# Altium PCB Mosaic-Alto.PcbDoc (part 1 of 2) (continued)
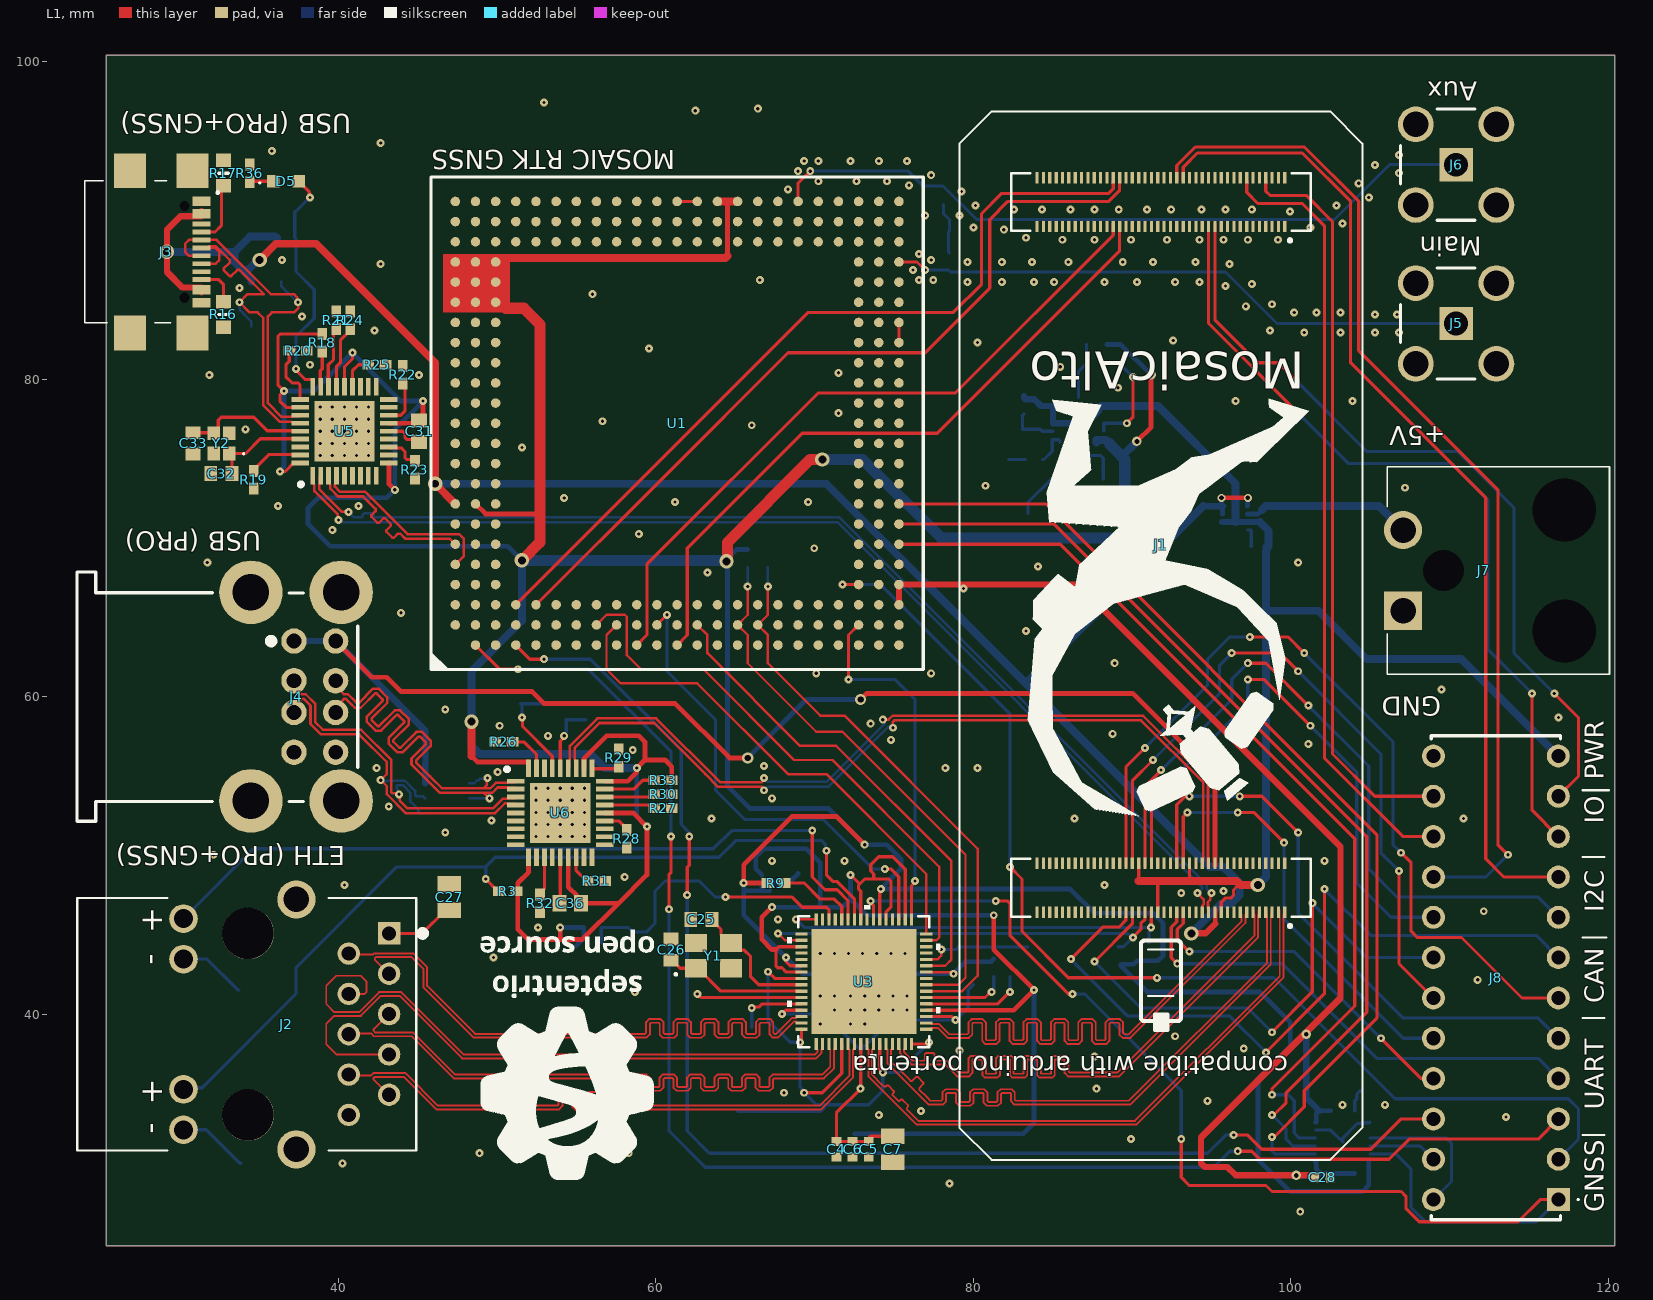
[diagram p0: L1 view]
## Footprints (in the part's own frame and the unit in brackets; to place one, negate y for a bottom-side part, rotate by r counter-clockwise, add the part's x,y. Pads: shape width x height; smd on the part's side, far side on the other; paste and mask are expansions set on the pad) (continued)
  silkscreen extent -17.14,-12.69 48.89,12.69, body extent -1.69,-9.27 44.87,9.33, height 3.4
IND_1005_TDK [mm]
  rect 0.57x0.6 smd paste+0 mask+0: 1(-0.565,0) 2(0.565,0)
  silkscreen extent -1.76,-0.08 -1.61,0.08, body extent -0.5,-0.25 0.5,0.25, height 0.5
INDC1005X55N [mm]
  rect 0.55x0.6 smd: 1(-0.65,0) 2(0.65,0)
  silkscreen extent 0,-0.15 0,0.15, body extent -0.5,-0.25 0.5,0.25, height 0.55
INDC2016X100N [mm]
  rect 1.2x1.8 smd: 1(-0.85,0) 2(0.85,0)
  silkscreen extent 0,-0.7 0,0.7, body extent -1,-0.8 1,0.8, height 1
LFXTAL055474REEL [mm]
  rect 1.4x1.15 smd: 1(-1.1,-0.8) 2(1.1,-0.8) 3(1.1,0.8) 4(-1.1,0.8)
  silkscreen extent -2.42,-1.23 -2.32,-1.13, body extent -1.7,-1.35 1.7,1.35, height 0.9
LFXTAL071257Reel [mm]
  rect 0.88x0.78 smd: 1(-0.64,-0.49) 2(0.64,-0.49) 3(0.64,0.49) 4(-0.64,0.49)
  silkscreen extent -0.7,-1.45 -0.6,-1.35, body extent -1,-0.8 1,0.8, height 0.6
LMQ62440BPPQRJRRQ1 [mm]
  rect 0.7x0.4 smd: 1(-1.85,1.15) 5(-1.85,-1.15)
  rect 0.7x0.25 smd: 2(-1.85,0.525) 4(-1.85,-0.525)
  rect 0.7x0.3 smd: 3(-1.85,0)
  rect 0.25x0.7 smd: 6(-1.125,-1.6) 7(-0.625,-1.6) 13(-0.625,1.6) 14(-1.125,1.6)
  rect 0.4x1 smd: 8(0.45,-1.45) 12(0.45,1.45)
  rect 0.8x0.4 smd: 9(1.8,-1.15) 11(1.8,1.15)
  rect 2.4x0.4 smd: 10(1,0)
  rect 0.35x0.6 smd: 15(-1.675,1.65) 16(-1.675,-1.65)
  rect 0.4x0.6 smd: 17(1.6,-1.65) 18(1.6,1.65)
  silkscreen extent -2.9,1.1 -2.8,1.2, body extent -2,-1.75 2,1.75, height 1
Mosaic [mm]
  round 0.6 smd: A2(-12.7,13.97) A3(-11.43,13.97) A4(-10.16,13.97) A5(-8.89,13.97) A6(-7.62,13.97) A7(-6.35,13.97) A8(-5.08,13.97) A9(-3.81,13.97) A10(-2.54,13.97) A11(-1.27,13.97) A12(0,13.97) A13(1.27,13.97) A14(2.54,13.97) A15(3.81,13.97) A16(5.08,13.97) A17(6.35,13.97) A18(7.62,13.97) A19(8.89,13.97) A20(10.16,13.97) A21(11.43,13.97) A22(12.7,13.97) A23(13.97,13.97) AA1(-13.97,-11.43) AA2(-12.7,-11.43) AA3(-11.43,-11.43) AA4(-10.16,-11.43) AA5(-8.89,-11.43) AA6(-7.62,-11.43) AA7(-6.35,-11.43) AA8(-5.08,-11.43) AA9(-3.81,-11.43) AA10(-2.54,-11.43) AA11(-1.27,-11.43) AA12(0,-11.43) AA13(1.27,-11.43) AA14(2.54,-11.43) AA15(3.81,-11.43) AA16(5.08,-11.43) AA17(6.35,-11.43) AA18(7.62,-11.43) AA19(8.89,-11.43) AA20(10.16,-11.43) AA21(11.43,-11.43) AA22(12.7,-11.43) AA23(13.97,-11.43) AB1(-13.97,-12.7) AB2(-12.7,-12.7) AB3(-11.43,-12.7) AB4(-10.16,-12.7) AB5(-8.89,-12.7) AB6(-7.62,-12.7) AB7(-6.35,-12.7) AB8(-5.08,-12.7) AB9(-3.81,-12.7) AB10(-2.54,-12.7) AB11(-1.27,-12.7) AB12(0,-12.7) AB13(1.27,-12.7) AB14(2.54,-12.7) AB15(3.81,-12.7) AB16(5.08,-12.7) AB17(6.35,-12.7) AB18(7.62,-12.7) AB19(8.89,-12.7) AB20(10.16,-12.7) AB21(11.43,-12.7) AB22(12.7,-12.7) AB23(13.97,-12.7) AC1(-13.97,-13.97) AC2(-12.7,-13.97) AC3(-11.43,-13.97) AC4(-10.16,-13.97) AC5(-8.89,-13.97) AC6(-7.62,-13.97) AC7(-6.35,-13.97) AC8(-5.08,-13.97) AC9(-3.81,-13.97) AC10(-2.54,-13.97) AC11(-1.27,-13.97) AC12(0,-13.97) AC13(1.27,-13.97) AC14(2.54,-13.97) AC15(3.81,-13.97) AC16(5.08,-13.97) AC17(6.35,-13.97) AC18(7.62,-13.97) AC19(8.89,-13.97) AC20(10.16,-13.97) AC21(11.43,-13.97) AC22(12.7,-13.97) AC23(13.97,-13.97) B1(-13.97,12.7) B2(-12.7,12.7) B3(-11.43,12.7) B4(-10.16,12.7) B5(-8.89,12.7) B6(-7.62,12.7) B7(-6.35,12.7) B8(-5.08,12.7) B9(-3.81,12.7) B10(-2.54,12.7) B11(-1.27,12.7) B12(0,12.7) B13(1.27,12.7) B14(2.54,12.7) B15(3.81,12.7) B16(5.08,12.7) B17(6.35,12.7) B18(7.62,12.7) B19(8.89,12.7) B20(10.16,12.7) B21(11.43,12.7) B22(12.7,12.7) B23(13.97,12.7) C1(-13.97,11.43) C2(-12.7,11.43) C3(-11.43,11.43) C4(-10.16,11.43) C5(-8.89,11.43) C6(-7.62,11.43) C7(-6.35,11.43) C8(-5.08,11.43) C9(-3.81,11.43) C10(-2.54,11.43) C11(-1.27,11.43) C12(0,11.43) C13(1.27,11.43) C14(2.54,11.43) C15(3.81,11.43) C16(5.08,11.43) C17(6.35,11.43) C18(7.62,11.43) C19(8.89,11.43) C20(10.16,11.43) C21(11.43,11.43) C22(12.7,11.43) C23(13.97,11.43) D1(-13.97,10.16) D2(-12.7,10.16) D3(-11.43,10.16) D21(11.43,10.16) D22(12.7,10.16) D23(13.97,10.16) E1(-13.97,8.89) E2(-12.7,8.89) E3(-11.43,8.89) E21(11.43,8.89) E22(12.7,8.89) E23(13.97,8.89) F1(-13.97,7.62) F2(-12.7,7.62) F3(-11.43,7.62) F21(11.43,7.62) F22(12.7,7.62) F23(13.97,7.62) G1(-13.97,6.35) G2(-12.7,6.35) G3(-11.43,6.35) G21(11.43,6.35) G22(12.7,6.35) G23(13.97,6.35) H1(-13.97,5.08) H2(-12.7,5.08) H3(-11.43,5.08) H21(11.43,5.08) H22(12.7,5.08) H23(13.97,5.08) J1(-13.97,3.81) J2(-12.7,3.81) J3(-11.43,3.81) J21(11.43,3.81) J22(12.7,3.81) J23(13.97,3.81) K1(-13.97,2.54) K2(-12.7,2.54) K3(-11.43,2.54) K21(11.43,2.54) K22(12.7,2.54) K23(13.97,2.54) L1(-13.97,1.27) L2(-12.7,1.27) L3(-11.43,1.27) L21(11.43,1.27) L22(12.7,1.27) L23(13.97,1.27) M1(-13.97,0) M2(-12.7,0) M3(-11.43,0) M21(11.43,0) M22(12.7,0) M23(13.97,0) N1(-13.97,-1.27) N2(-12.7,-1.27) N3(-11.43,-1.27) N21(11.43,-1.27) N22(12.7,-1.27) N23(13.97,-1.27) P1(-13.97,-2.54) P2(-12.7,-2.54) P3(-11.43,-2.54) P21(11.43,-2.54) P22(12.7,-2.54) P23(13.97,-2.54) R1(-13.97,-3.81) R2(-12.7,-3.81) R3(-11.43,-3.81) R21(11.43,-3.81) R22(12.7,-3.81) R23(13.97,-3.81) T1(-13.97,-5.08) T2(-12.7,-5.08) T3(-11.43,-5.08) T21(11.43,-5.08) T22(12.7,-5.08) T23(13.97,-5.08) U1(-13.97,-6.35) U2(-12.7,-6.35) U3(-11.43,-6.35) U21(11.43,-6.35) U22(12.7,-6.35) U23(13.97,-6.35) V1(-13.97,-7.62) V2(-12.7,-7.62) V3(-11.43,-7.62) V21(11.43,-7.62) V22(12.7,-7.62) V23(13.97,-7.62) W1(-13.97,-8.89) W2(-12.7,-8.89) W3(-11.43,-8.89) W21(11.43,-8.89) W22(12.7,-8.89) W23(13.97,-8.89) Y1(-13.97,-10.16) Y2(-12.7,-10.16) Y3(-11.43,-10.16) Y21(11.43,-10.16) Y22(12.7,-10.16) Y23(13.97,-10.16)
  silkscreen extent -15.5,-15.5 15.5,15.5, body extent -15.5,-15.5 15.5,15.5, height 4.5
QFN50P600X600X100-37N-D [mm]
  rect 1.1x0.3 smd: 1(-2.8,2) 2(-2.8,1.5) 3(-2.8,1) 4(-2.8,0.5) 5(-2.8,0) 6(-2.8,-0.5) 7(-2.8,-1) 8(-2.8,-1.5) 9(-2.8,-2) 19(2.8,-2) 20(2.8,-1.5) 21(2.8,-1) 22(2.8,-0.5) 23(2.8,0) 24(2.8,0.5) 25(2.8,1) 26(2.8,1.5) 27(2.8,2)
  rect 0.3x1.1 smd: 10(-2,-2.8) 11(-1.5,-2.8) 12(-1,-2.8) 13(-0.5,-2.8) 14(0,-2.8) 15(0.5,-2.8) 16(1,-2.8) 17(1.5,-2.8) 18(2,-2.8) 28(2,2.8) 29(1.5,2.8) 30(1,2.8) 31(0.5,2.8) 32(0,2.8) 33(-0.5,2.8) 34(-1,2.8) 35(-1.5,2.8) 36(-2,2.8)
  rect 3.8x3.8 smd: 37(0,0)
  silkscreen extent -3.47,2.62 -3.23,2.87, body extent -3.05,-3.05 3.05,3.05, height 1
RESC1005X40N [mm]
  rect 0.75x0.6 smd: 1(-0.55,0) 2(0.55,0)
  body extent -0.5,-0.25 0.5,0.25, height 0.4
RESC1608X60N [mm]
  rect 0.85x0.95 smd: 1(-0.8,0) 2(0.8,0)
  silkscreen extent 0,-0.3 0,0.3, body extent -0.8,-0.4 0.8,0.4, height 0.6
SN74AVC4T774RGYR [mm]
  rect 0.85x0.28 smd: 1(-1.975,-0.75) 8(1.975,-0.75) 9(1.975,0.75) 16(-1.975,0.75)
  rect 0.28x0.85 smd: 2(-1.25,-1.725) 3(-0.75,-1.725) 4(-0.25,-1.725) 5(0.25,-1.725) 6(0.75,-1.725) 7(1.25,-1.725) 10(1.25,1.725) 11(0.75,1.725) 12(0.25,1.725) 13(-0.25,1.725) 14(-0.75,1.725) 15(-1.25,1.725)
  rect 2.55x2.05 smd: 17(0,0)
  silkscreen extent -3.1,-0.8 -3,-0.7, body extent -2,-1.75 2,1.75, height 1
SON95P300X300X80-7N-D [mm]
  rect 1x0.4 smd: 1(-1.4,0.95) 2(-1.4,0) 3(-1.4,-0.95) 4(1.4,-0.95) 5(1.4,0) 6(1.4,0.95)
  rect 1.3x2 smd: 7(0,0)
  silkscreen extent -2.02,1.53 -1.78,1.77, body extent -1.55,-1.5 1.55,1.5, height 0.8
SOTFL50P160X60-8N [mm]
  rect 0.67x0.3 smd: 1(-0.74,0.75) 2(-0.74,0.25) 3(-0.74,-0.25) 4(-0.74,-0.75) 5(0.74,-0.75) 6(0.74,-0.25) 7(0.74,0.25) 8(0.74,0.75)
  silkscreen extent -1.07,-1.05 0.25,1.15, body extent -0.8,-1.05 0.8,1.05, height 0.6
TPD1E0B04DPYR [mm]
  rect 0.25x0.5 smd: 1(-0.325,0) 2(0.325,0)
  silkscreen extent -1.2,-0.05 -1.1,0.05, body extent -0.5,-0.3 0.5,0.3, height 0.45
USB1035-XXXXXB [mm]
  round 1.6 hole 0.92: 1A(-3.5,5.33) 1B(-3.5,2.71) 2A(-1,5.33) 2B(-1,2.71) 3A(1,5.33) 3B(1,2.71) 4A(3.5,5.33) 4B(3.5,2.71)
  round 4 hole 2.3: MP1(-6.57,5.68) MP2(6.57,5.68) MP3(-6.57,0) MP4(6.57,0)
  silkscreen extent -7.85,-10.95 7.85,6.73, body extent -7.86,-10.95 7.86,6.73, height 16.19
USB4110-GFA [mm]
  rect 0.3x1.15 smd: A1(-3.35,3.678) A4(-2.55,3.678) A5(-1.25,3.678) A6(-0.25,3.678) A7(0.25,3.678) A8(1.25,3.678) A9(2.55,3.678) A12(3.35,3.678) B1(3.05,3.678) B4(2.25,3.678) B5(1.75,3.678) B6(0.75,3.678) B7(-0.75,3.678) B8(-1.75,3.678) B9(-2.25,3.678) B12(-3.05,3.678)
  round 0.325 hole 0.65 unplated: MH1(-2.89,2.603) MH2(2.89,2.603)
  rect 2.18x2 smd: MP1(-5.11,-0.827) MP2(5.11,-0.827) MP3(-5.11,3.103) MP4(5.11,3.103)
  silkscreen extent -4.47,-3.68 4.47,4.75, body extent -5.65,-3.78 5.65,3.92, height 3.26
VQFN64_NX_MCH [mil]
  rect 30x8 smd paste+0 mask+0: 1(-154.5,118.11) 2(-154.5,102.36) 3(-154.5,86.61) 4(-154.5,70.87) 5(-154.5,55.12) 6(-154.5,39.37) 7(-154.5,23.62) 8(-154.5,7.87) 9(-154.5,-7.87) 10(-154.5,-23.62) 11(-154.5,-39.37) 12(-154.5,-55.12) 13(-154.5,-70.87) 14(-154.5,-86.61) 15(-154.5,-102.36) 16(-154.5,-118.11) 33(154.5,-118.11) 34(154.5,-102.36) 35(154.5,-86.61) 36(154.5,-70.87) 37(154.5,-55.12) 38(154.5,-39.37) 39(154.5,-23.62) 40(154.5,-7.87) 41(154.5,7.87) 42(154.5,23.62) 43(154.5,39.37) 44(154.5,55.12) 45(154.5,70.87) 46(154.5,86.61) 47(154.5,102.36) 48(154.5,118.11)
  rect 8x30 smd paste+0 mask+0: 17(-118.11,-154.5) 18(-102.36,-154.5) 19(-86.61,-154.5) 20(-70.87,-154.5) 21(-55.12,-154.5) 22(-39.37,-154.5) 23(-23.62,-154.5) 24(-7.87,-154.5) 25(7.87,-154.5) 26(23.62,-154.5) 27(39.37,-154.5) 28(55.12,-154.5) 29(70.87,-154.5) 30(86.61,-154.5) 31(102.36,-154.5) 32(118.11,-154.5) 49(118.11,154.5) 50(102.36,154.5) 51(86.61,154.5) 52(70.87,154.5) 53(55.12,154.5) 54(39.37,154.5) 55(23.62,154.5) 56(7.87,154.5) 57(-7.87,154.5) 58(-23.62,154.5) 59(-39.37,154.5) 60(-55.12,154.5) 61(-70.87,154.5) 62(-86.61,154.5) 63(-102.36,154.5) 64(-118.11,154.5)
  rect 260x260 smd paste-129.5 mask+0: 65(0,0)
  silkscreen extent -190,-190 190,190, body extent -157,-157 157,157, height 39

## Part data
C1 C7 C13 C20 C24 C44 C45 C46 C47: library part CMP-00053-2, "0805 22µF", Capacitance=22µF, Dielectric=X5R, Manufacturer=Walsin, Max Operating Temperature=-55, Min Operating Temperature=85, Package=0805, Tolerance=10%, Voltage Rating=6.3V
C2 C3: library part CMP-00054-2, "0603 4.7µF", Capacitance=4.7µF, Dielectric=X5R, Manufacturer=Walsin, Max Operating Temperature=85, Min Operating Temperature=-55, Package=0603, Tolerance=20%, Voltage Rating=6.3V
C4 C5 C6 C8 C9 C10 C11 C12 C14 C15 C16 C17 C18 C19 C21 C22 C23 C28 C29 C38 C43: library part CMP-00051-3, "0402I 0.1µF", Capacitance=100nF, Dielectric=X7R, Manufacturer=Walsin, Max Operating Temperature=125, Min Operating Temperature=-55, Package=0402, Tolerance=10%, Voltage Rating=10V
C25 C26 C32 C33 C34 C35: library part CMP-00052-2, "0603 18pF", Dielectric=C0G, Manufacturer=Walsin, Max Operating Temperature=125, Min Operating Temperature=-55, Package=0603, Tolerance=5%, Voltage Rating=16V, Capacitance=18pF
C27 C39 C41 C42: library part CMP-00059-1, "0805I 0.1µF", Capacitance=100nF, Dielectric=X7R, Manufacturer=Walsin, Max Operating Temperature=-55, Min Operating Temperature=125, Package=0805, Tolerance=10%, Voltage Rating=50V, Qualification=AEC-Q200
C30: library part CMP-00062-1, "0603 10µF", Capacitance=10µF, Dielectric=X5R, Manufacturer=Walsin, Max Operating Temperature=85, Min Operating Temperature=-55, Package=0603, Tolerance=10%, Voltage Rating=6.3V
C31 C36 C40: library part CMP-00064-1, "0603 1µF", Capacitance=1µF, Dielectric=X5R, Manufacturer=Walsin, Max Operating Temperature=85, Min Operating Temperature=-55, Package=0603, Tolerance=10%, Voltage Rating=6.3V
C37: library part CMP-00074-2, "0201 100pF", Capacitance=100pF
C48: library part CMP-00085-1, "0603 4.7pF", Dielectric=C0G, Manufacturer=Walsin, Max Operating Temperature=125, Min Operating Temperature=-55, Package=0603, Tolerance=5%, Voltage Rating=16V, Capacitance=4.7pF
D1: library part CMP-00061-3, "Triple Diode Array", Forward Current=180mA, Forward Voltage=1.25V, Manufacturer=Nexperia, Max Surge Current=10A, Package=TSSOP-6, Peak Reverse Voltage=85V, Reverse Current=5nA, Configuration=Triple
D2: library part CMP-00073-2, "1 Channel TVS Diode"
D3: library part CMP-00076-3, "4-Channel TVS Diodes", Breakdown Voltage=11V, Clamping Voltage=25V, Max Operating Temperature=85, Min Operating Temperature=-40, Package=WSON-6, Peak Pulse Current=5.5A, Working Voltage=5.5V, Channels=4, Polarity=Unidirectional
D4: library part CMP-00078-2, "2-Channel TVS Diode", Breakdown Voltage=11V, Clamping Voltage=25V, Max Operating Temperature=85, Min Operating Temperature=-40, Package=WSON-6, Peak Pulse Current=10A, Working Voltage=5.5V, Channels=2, Polarity=Unidirectional
D5: library part CMP-00079-2, "0603 Green LED", Colour=Green
D6: library part CMP-00079-2, "0603 Green LED", Colour=Green
J1: library part CMP-00090-3, "80 Pin Arduino Pro Female", Manufacturer=Arduino, Mounting Angle=Vertical, Mounting Style=SMD, Pins=160
J2: library part CMP-00040-2, "RJ45 1Gbit MJ", Manufacturer="TE Connectivity", Max Operating Temperature=85, Min Operating Temperature=-40, Data Rate="10/100/1000 Base-T", Gender=Female, Magnetic Jack=Yes, Mounting Angle=Right, Mounting Style="Through Hole", Performance Category=5e, Shielding=Yes, USOC=RJ45
J3: library part CMP-00039-5, "USB-2.0 Type C", Current Rating=5A, Manufacturer="Global Connector Technologies", Voltage Rating=48V, Gender=Female, Mounting Angle=Right, Mounting Style="Top Mount", Standard=2.0, USB Type=C
J4: library part CMP-00038-9, "USB-2.0 Type A Dual", Current Rating=1.8A, Manufacturer="Global Connector Technologies", Voltage Rating=30V, Gender=Female, Mounting Angle=Right, Mounting Style="PCB Mount", Standard=2.0, USB Type=A
J5 J6: library part CMP-00069-3, "RF SMA Connector"
J7: library part CMP-00082-2, "Right Angle PCB Header"
J8: library part CMP-00086-2, "24 Pin Right Angle Female Header"
L1: library part CMP-00048-2, "1µH Inductor", Inductance=1µH, Manufacturer=TDK, Max Current=1.3A, Max Operating Temperature=125, Max Resistance=90, Min Operating Temperature=-40, Package=0806, Tolerance=20%, Shielding=Yes
L2 L3: library part CMP-00050-4, "0603I 120ohms Ferrite Bead", Current Rating=2A, Manufacturer=TDK, Max Operating Temperature=125, Min Operating Temperature=-55, Package=0603, Resistance Rating=120, Tolerance=25%, Qualification=AEC-Q200
L4 L5: library part CMP-00072-2, "47nH 1.4GHz Inductor"
L6: library part CMP-00083-2, "1.5uH Inductor"
R2: library part CMP-00031-4, "0402I 6.04k", Manufacturer=Walsin, Max Operating Temperature=155, Min Operating Temperature=-55, Package=0402, Power Rating=62.5mW, Tolerance=1%, Voltage Rating=50V, Qualification=AEC-Q200, Resistance=6.04k
R3 R5 R7 R9 R12 R13 R14 R20 R21 R22 R23 R24 R25 R27 R28 R29 R30 R31 R32: library part CMP-00030-4, "0402I 4.7k", Manufacturer=Walsin, Max Operating Temperature=155, Min Operating Temperature=-55, Package=0402, Power Rating=62.5mW, Tolerance=1%, Voltage Rating=50V, Qualification=AEC-Q200, Resistance=4.7k
R4 R6 R8 R39: library part CMP-00032-3, "0402I 1k", Manufacturer=Walsin, Max Operating Temperature=155, Min Operating Temperature=-55, Package=0402, Power Rating=62.5mW, Tolerance=1%, Voltage Rating=50V, Qualification=AEC-Q200, Resistance=1k
R10 R11 R36 R43: library part CMP-00028-4, "0402I 330", Manufacturer=Walsin, Max Operating Temperature=155, Min Operating Temperature=-55, Package=0402, Power Rating=62.5mW, Resistance=330, Tolerance=1%, Voltage Rating=50V, Qualification=AEC-Q200
R15 R18 R33 R37: library part CMP-00026-5, "0402I 10k", Manufacturer=Walsin, Max Operating Temperature=155, Min Operating Temperature=-55, Package=0402, Power Rating=62.5mW, Tolerance=1%, Voltage Rating=50V, Qualification=AEC-Q200, Resistance=10k
R16 R17: library part CMP-00065-3, "0603I 5.1k", Manufacturer=Walsin, Max Operating Temperature=155, Min Operating Temperature=-55, Package=0603, Power Rating=62.5mW, Tolerance=1%, Voltage Rating=50V, Qualification=AEC-Q200, Resistance=5.1k
R19 R26: library part CMP-00068-1, "0402I 12k", Manufacturer=Walsin, Max Operating Temperature=155, Min Operating Temperature=-55, Package=0402, Power Rating=62.5mW, Tolerance=1%, Voltage Rating=50V, Qualification=AEC-Q200, Resistance=12k
R34 R42: library part CMP-00075-1, "0402I 56k", Manufacturer=Walsin, Max Operating Temperature=155, Min Operating Temperature=-55, Package=0402, Power Rating=62.5mW, Tolerance=1%, Voltage Rating=50V, Qualification=AEC-Q200, Resistance=56k
R35 R38 R41: library part CMP-00029-4, "0402I 100k", Manufacturer=Walsin, Max Operating Temperature=155, Min Operating Temperature=-55, Package=0402, Power Rating=62.5mW, Tolerance=1%, Voltage Rating=50V, Qualification=AEC-Q200, Resistance=100k
R40: library part CMP-00084-1, "0402I 42.2k", Manufacturer=Walsin, Max Operating Temperature=155, Min Operating Temperature=-55, Package=0402, Power Rating=62.5mW, Tolerance=1%, Voltage Rating=50V, Qualification=AEC-Q200, Resistance=42.2k
U1: library part CMP-00046-3, "GNSS RTK Receiver", Manufacturer=Septentrio, Max Operating Temperature=85, Min Operating Temperature=-40, Interfaces="USB, UART"
U2: library part CMP-00047-3, "1.2V 1A Buck Converter", Frequency=4MHz, Manufacturer="Texas Instruments", Max Input Voltage=5.5V, Max Operating Temperature=85, Max Output Voltage=1.2V, Min Input Voltage=2.3V, Min Operating Temperature=-30, Output Current=1A, Package=DSBGA-6, Channels=1, Min Output Voltage=1.2V, Topology=Buck
U3: library part CMP-00057-8, "3-Port Gigabit Ethernet Switch", Manufacturer="Texas Instruments", Max Operating Temperature=85, Min Operating Temperature=-40, Package=VQFN-64, Data Rate=10/100/1000, Ethernet Type="10/1000 Base-T, 100 Base-TX", Interfaces="I2C, MII, RGMII, RMII, SPI", Transceivers=2
U4: library part CMP-00060-4, "4B Dual-Supply Level Shifter", Manufacturer="Texas Instruments", Max Supply Voltage=3.6V, Min Supply Voltage=1.2V, Package=VQFN-16, Bits=4, Data Rate=380Mb/s, Delay Time=2.4ns
U5 U6: library part CMP-00071-2, "2-Port USB-2.0 Controller Hub", Manufacturer=Microchip, Package=SQFN-36, Data Rate=480Mb/s, Ports=2, Standard="USB 2.0"
U7: library part CMP-00080-3, "2.5A Power Multiplexer", Current Rating=2.5A, Manufacturer="Texas Instruments", Max Input Voltage=5.5V, Max Operating Temperature=105, Min Input Voltage=1.6V, Min Operating Temperature=-40, Outputs=1
U8: library part CMP-00081-2, "3.3V 4A Switching Voltage Regulator", Frequency=2.1MHz, Manufacturer="Texas Instruments", Max Input Voltage=36V, Max Operating Temperature=150, Max Output Voltage=3.3V, Min Input Voltage=3V, Min Operating Temperature=-40, Output Current=4A, Package=VQFN-14, Channels=1, Min Output Voltage=3.3V, Topology=Buck
Y1: library part CMP-00049-4, "25MHz +/-50ppm Crystal", Load Capacitance=16pF, Manufacturer=IQD, Max Operating Temperature=85, Min Operating Temperature=-40, Package="3.2mm x 2.5mm", Tolerance=50PPM, Drive Level=100µW, ESR=50, Frequency=25MHz
Y2 Y3: library part CMP-00067-2, "24MHz +/-100ppm Crystal", Load Capacitance=10pF, Manufacturer=IQD, Max Operating Temperature=125, Min Operating Temperature=-40, Package="2mm x 1.6mm", Tolerance=10, Drive Level=100µW, ESR=100, Frequency=24MHz, Qualification=AEC-Q200

## Via types
v1: diameter 0.5, hole 0.2, L1 to L4, 378 vias
v2: diameter 0.9, hole 0.5, L1 to L4, 9 vias
v3: diameter 0.6, hole 0.3, L1 to L4, 4 vias
v4: diameter 0.5, hole 0.3, L1 to L4, 2 vias
v5: diameter 0.7, hole 0.4, L1 to L4, 2 vias

## Nets (pads, with @x,y where several pads share a name; then routed paths per layer and width w, separated by ;. In a path a pad name is that pad's centre, name@x,y a point inside that pad or via, vN(x,y) a via of type N, cw(c..) or ccw(c..) an arc to the next point about the centre after c; other vN are vias at no path point)
+1.2: C3.1 C14.1 C15.1 C16.1 C17.1 C18.1 C19.1 C20.1 L1.2 L2.2 U2.C1 U3.20 U3.34 U3.37 U3.41 U3.51 U3.55 | length 80.5
  L1 w0.2: U3.55@69.18,42.65 68.221,42.65 67.945,42.926 67.681,42.926 67.564,43.043 67.564,44.069 67.745,44.25 U3.51@69.18,44.25 ; v1(72.263,48.768) 72.834,48.197 ; U3.41@72.904,45.974 72.904,47.746 72.771,47.879 72.771,48.133 72.834,48.197 ; U3.37@74.504,45.974 74.506,45.976 74.506,46.439 74.803,46.736 74.803,48.387 74.676,48.514 73.728,48.514 ; U3.34@75.704,45.974 75.704,49.137 74.93,49.911 74.041,49.911 73.533,49.403 73.533,49.022 73.728,48.827 73.728,48.514 ; U3.20@77.028,40.25 79.121,40.25 ; 72.834,48.197 73.152,48.514 73.728,48.514
  L1 w0.3: v1(67.31,46.736) 66.675,46.101 66.675,44.704 67.31,44.069 67.564,44.069 ; 79.121,40.25 82.541,40.25 v1(83.82,41.529) 81.28,44.069 v1(81.28,46.228)
  L4 w0.3: U2.C1@66.675,48.768 66.675,48.77 66.294,49.151 66.294,49.911 66.802,50.419 69.469,50.419 70.358,49.53 70.358,46.863 70.231,46.736 ; v1(67.31,46.736) 70.231,46.736 ; v1(72.263,48.768) 72.263,47.244 ; L2.2@72.517,32.474 83.147,32.474 83.82,33.147 v1(83.82,41.529) ; v1(81.28,46.228) 73.279,46.228 72.263,47.244 ; 70.231,46.736 71.755,46.736 72.263,47.244
+1.8: C28.1 U1.AC3 U1.AC4 U4.1 U4.2 U4.7 U4.8 U4.16 | length 78.4
  L1 w0.4: U1.AC3@75.311,65.786 U1.AC4@75.311,67.056 86.614,67.056 103.124,50.546 103.124,41.021 94.336,32.233 94.336,30.609 94.57,30.375 95.99,30.375 96.52,29.845 v3(100.33,29.845) 101.374,29.845 101.391,29.828 101.421,29.828 101.501,29.748 C28.1@101.501,29.718
  L4 w0.3: U4.2@101.538,30.697 101.59,30.697 101.6,30.687 101.6,30.226 101.854,29.972 U4.1@102.513,29.972 U4.16@104.013,29.972 ; U4.7@101.538,33.197 101.59,33.197 101.6,33.207 101.6,33.746 101.776,33.922 U4.8@102.513,33.922
  L4 w0.4: v3(100.33,29.845) 101.727,29.845 101.854,29.972 ; v3(100.965,38.735) 100.965,34.733 101.776,33.922
  other v1: 79.375,66.802
+3.3: C1.1 C2.1 C21.1 C22.1 C23.1 C24.1 C29.1 C31.2 C36.2 C44.1 C45.1 C46.1 C47.1 D1.6 L3.2 L6.2 R3.1 R5.1 R7.1 R9.1 R12.2 R13.1 R15.1 R18.2 R33.2 R38.1 R39.2 U1.A18 U1.A19 U1.A20 U1.B8 U1.B18 U1.B19 U1.B20 U1.C18 U1.C19 U1.C20 U1.P23 U1.R23 U2.A1 U2.A2 U2.B1 U3.26 U3.38 U3.54 U4.15 U5.10 U5.15 U5.23 U5.29 U5.36 U6.10 U6.15 U6.23 U6.27 U6.29 U6.36 U8.1 U8.15 | length 364.5
  L1 w0.15: U3.26@77.028,42.65 78.635,42.65 v1(78.74,42.545)
  L1 w0.2: v1(36.322,74.168) 36.644,74.168 37.192,74.716 U5.36@37.592,74.716 ; U5.29@37.592,78.216 36.719,78.216 36.322,78.613 36.322,78.994 v1(36.576,79.248) 36.576,79.264 36.195,79.645 36.195,82.677 36.364,82.846 R18.2@38.989,82.846 ; U5.23@40.392,79.516 40.392,80.778 40.894,81.28 v1(40.894,81.661) ; v1(68.199,43.561) 68.199,43.307 68.456,43.05 U3.54@69.18,43.05 ; U3.38@74.104,45.974 74.104,47.734 74.168,47.798 v1(74.168,47.879)
  L1 w0.3: U5.10@43.192,74.716 43.192,73.394 v1(43.561,73.025) ; U5.15@43.192,77.216 44.704,77.216 45.339,77.851 v1(45.339,78.613) ; 48.387,56.261 48.775,55.873 51.981,55.873 U6.36@51.981,55.473 ; U1.B8@48.641,72.136 49.276,71.501 52.705,71.501 ; U6.10@51.981,49.873 51.981,48.933 51.308,48.26 51.308,45.339 51.943,44.704 53.975,44.704 ; v1(53.975,45.466) 53.975,44.704 ; U6.15@54.481,49.873 54.481,48.008 55.005,47.484 55.005,47.275 C36.2@55.29,46.99 57.658,46.99 ; U6.29@55.481,55.473 55.481,56.116 56.896,57.531 58.928,57.531 59.309,57.15 59.309,56.007 ; U6.23@56.781,52.673 58.579,52.673 v1(59.436,51.816) 59.436,48.768 57.658,46.99 ; U6.27@56.781,54.673 58.229,54.673 58.801,55.245 v1(58.801,55.499) 59.309,56.007 ; R33.2@61.002,54.737 61.002,55.584 60.579,56.007 59.309,56.007 ; 64.516,87.757 64.516,91.186 ; R9.1@67.014,48.26 v1(65.532,48.26) 65.532,49.403 68.58,52.451 71.374,52.451 v1(73.152,50.673) ; v3(90.297,76.073) 91.186,76.962 v3(91.186,80.264) ; 53.975,44.704 55.372,44.704 57.658,46.99
  L1 w0.5: 48.387,56.261 v2(48.387,58.42) ; 50.546,87.503 50.546,87.63 50.55,87.634 64.393,87.634 64.516,87.757 ; U1.P23@63.881,91.186 64.516,91.186 U1.R23@65.151,91.186
  L1 w0.7: 50.419,84.836 50.419,84.586 50.55,84.455 51.689,84.455 52.705,83.439 52.705,71.501 52.705,69.723 v2(51.562,68.58) ; v2(64.453,68.516) 64.51,68.574 64.51,69.717 69.723,74.93 v2(70.485,74.93)
  L4 w0.3: v1(36.322,74.168) 36.322,74.222 36.576,74.476 v1(36.576,79.248) 38.481,79.248 v1(40.894,81.661) 43.942,78.613 v1(45.339,78.613) 43.561,76.835 v1(43.561,73.025) 43.053,72.517 38.735,72.517 38.1,71.882 38.1,70.866 39.497,69.469 50.673,69.469 v2(51.562,68.58) ; v1(53.975,45.466) R15.1@55.457,45.466 55.457,44.788 D1.6@54.98,44.311 ; v1(58.801,55.499) 58.801,52.451 v1(59.436,51.816) ; v2@64.516,68.453 64.516,54.356 65.913,52.959 70.866,52.959 v1(73.152,50.673) 74.549,50.673 75.438,49.784 75.438,49.149 v1@74.207,47.918 ; v2@64.516,68.707 65.066,69.257 R7.1@65.786,69.257 ; v1(65.532,48.26) 65.532,47.752 ; U2.B1@66.675,48.268 U2.A1@66.675,47.768 ; U2.A2@67.175,47.768 U2.A1@66.675,47.768 ; v1(74.168,47.879) v1@74.26,47.879 ; v1@74.233,47.906 v1@74.26,47.879 ; R5.1@81.28,43.476 81.111,43.307 79.502,43.307 v1(78.74,42.545) 69.215,42.545 v1(68.199,43.561) 65.532,46.228 65.532,47.752 ; L6.2@88.407,82.169 89.281,82.169 v3(91.186,80.264) ; U4.15@104.902,30.697 104.902,29.21 104.521,28.829 99.949,28.829 97.917,30.861 97.917,35.941 99.949,37.973 99.949,39.497 98.044,41.402 90.942,41.402 89.281,43.063 89.281,43.138 90.095,43.138 90.32,43.363 91.623,43.363 91.948,43.688 91.948,45.72 91.313,46.355 87.63,46.355 86.106,47.879 v1@74.26,47.879 ; 65.532,47.752 65.548,47.768 U2.A1@66.675,47.768
  L4 w0.5: v2(51.562,68.58) 51.562,64.77 48.387,61.595 v2(48.387,58.42) 48.387,56.896 48.895,56.388 55.88,56.388 56.769,55.499 v1(58.801,55.499) ; v2@64.389,68.58 v2(64.453,68.516) v2@64.516,68.453 ; U8.1@87.764,76.001 87.764,76.151 88.239,76.151 U8.15@88.264,76.176 88.339,76.176 88.564,75.951 ; 89.344,75.12 v3(90.297,76.073)
  L4 w0.7: v2(51.562,68.58) 58.166,68.58 v2@64.389,68.58 ; v2(70.485,74.93) 73.025,74.93 77.978,69.977 79.629,69.977 82.042,69.977 84.963,69.977 89.242,69.977 89.535,70.27 89.535,74.93 89.344,75.12 88.564,75.901 88.564,75.951
+5: C41.1 C42.1 J1.21 J1.32 J1.41 J1.48 J8.12 R37.2 R41.2 U7.2 U7.7 U8.7 U8.8 U8.12 | length 81.7
  L1 w0.2: 90.411,48.387 J1.48@90.411,49.319 ; J1.41@91.611,46.609 91.611,48.387 ; 93.611,48.387 J1.32@93.611,49.319 ; J1.21@95.611,46.609 95.611,47.053 95.867,47.309 96.204,47.309 96.378,47.483 96.378,47.82 96.633,48.076 96.322,48.387
  L1 w0.5: 90.411,48.387 91.611,48.387 93.611,48.387 96.322,48.387 96.569,48.387 96.823,48.133 v2(97.917,48.133)
  L4 w0.4: R41.2@83.185,78.909 83.185,78.834 83.285,78.734 83.826,78.734 84.259,78.301 U8.8@85.014,78.301 ; U8.8@85.164,78.301 U8.8@85.014,78.301 ; U8.12@88.064,78.301 87.884,78.301 87.884,77.978 87.132,77.226 U8.7@85.014,77.226 U8.8@85.014,78.301 ; U7.2@95.682,70.997 96.52,70.997 97.358,70.997 98.04,70.997
  L4 w0.5: U8.12@88.064,78.301 91.625,78.301 96.52,73.406 96.52,70.997 ; v2(97.917,48.133) 98.425,48.641 98.425,65.405 ; 98.04,70.997 98.594,70.443 R37.2@98.594,69.469 98.519,69.469 98.469,69.419 98.469,69.17 98.425,69.126 98.425,65.405 ; J8.12@116.84,56.261 110.744,62.357 104.775,62.357 101.727,65.405 98.425,65.405
CAN_RX0: J1.52 J8.6 | length 53.6
  L1 w0.2: J1.52@89.611,49.319 89.611,55.575 v1(90.805,56.769) ; v1(97.409,63.754) 99.822,63.754 v1(100.838,62.738) ; v1(106.934,50.165) 107.569,49.53 107.569,45.212 107.95,44.831 110.744,44.831 114.554,41.021 J8.6@116.84,41.021
  L4 w0.2: v1(90.805,56.769) 94.742,60.706 94.742,62.357 96.139,63.754 v1(97.409,63.754) ; v1(100.838,62.738) 106.426,57.15 106.426,50.673 v1(106.934,50.165)
CAN_RX1: J1.51 J8.7 | length 48.2
  L1 w0.2: v1(86.139,43.467) 88.152,45.48 89.168,45.48 89.596,45.908 89.596,46.093 89.609,46.107 89.609,46.607 J1.51@89.611,46.609 ; v1(98.425,37.592) 102.108,41.275 v1(102.108,47.879)
  L4 w0.2: v1(86.139,43.467) 89.728,39.878 96.139,39.878 v1(98.425,37.592) ; v1(102.108,47.879) 105.029,44.958 115.443,44.958 J8.7@116.84,43.561
CAN_TX0: J1.50 J8.19 | length 44.8
  L1 w0.2: J1.50@90.011,49.319 90.011,54.705 v1(91.313,56.007) ; v1(96.266,62.738) 99.314,62.738 v1(100.457,61.595) ; v1(106.807,49.022) 106.807,43.184 J8.19@108.97,41.021
  L4 w0.2: v1(91.313,56.007) 95.504,60.198 95.504,61.976 v1(96.266,62.738) ; v1(100.457,61.595) 105.664,56.388 105.664,50.165 v1(106.807,49.022)
CAN_TX1: J1.49 J8.18 | length 35.5
  L1 w0.2: v1(87.63,43.307) 90.011,45.688 J1.49@90.011,46.609 ; v1(98.806,38.862) 101.346,41.402 v1(101.346,46.99)
  L4 w0.2: v1(87.63,43.307) 90.551,40.386 97.282,40.386 v1(98.806,38.862) ; v1(101.346,46.99) 104.775,43.561 J8.18@108.97,43.561
CTRL_SCL: J1.45 R12.1 U3.50 | length 27.4
  L1 w0.15: v1(67.691,45.085) 68.126,44.65 U3.50@69.18,44.65
  L1 w0.2: v1(90.043,44.831) 90.551,45.339 90.551,45.72 90.811,45.98 J1.45@90.811,46.609
  L4 w0.2: v1(67.691,45.085) 89.694,45.085 89.948,44.831 v1(90.043,44.831) 89.454,44.242 R12.1@89.125,44.242
CTRL_SDA: J1.43 R13.2 U3.48 | length 26
  L1 w0.15: v1(68.834,45.974) U3.48@70.104,45.974 ; v1(91.186,45.466) v1@91.199,45.479 ; J1.43@91.199,46.597 J1.43@91.211,46.609
  L1 w0.2: v1@91.199,45.479 J1.43@91.199,46.597
  L4 w0.2: v1(68.834,45.974) 69.342,45.466 v1(91.186,45.466) 91.119,45.399 91.119,45.262 91.059,45.202 R13.2@91.059,44.492
ETH_1A_N: J2.P3 U3.63 | length 39.4
  L1 w0.12: J2.P3@43.18,42.545 42.299,43.426 42.299,43.525 42.37,43.595 44.623,43.595 45.357,42.861 45.357,41.685 48.52,38.522 59.185,38.522 59.411,38.522 59.62,38.731 59.62,39.398 59.683,39.461 60.185,39.461 60.248,39.398 60.248,38.716 60.449,38.515 61.147,38.515 61.348,38.716 61.348,39.398 61.411,39.461 61.913,39.461 61.976,39.398 61.976,38.716 62.177,38.515 62.875,38.515 63.076,38.716 63.076,39.398 63.139,39.461 63.641,39.461 63.704,39.398 63.704,38.716 63.905,38.515 64.603,38.515 64.804,38.716 64.804,39.398 64.867,39.461 65.369,39.461 65.432,39.398 65.432,38.716 65.633,38.515 66.331,38.515 66.532,38.716 66.532,39.398 66.595,39.461 67.097,39.461 67.16,39.398 67.16,38.731 67.369,38.522 67.525,38.522 67.654,38.522 67.679,38.522 68.689,39.532 68.818,39.532 68.9,39.45 U3.63@69.18,39.45
ETH_1A_P: J2.P2 U3.62 | length 39.7
  L1 w0.12: J2.P2@40.64,43.815 40.693,43.762 42.203,43.762 42.272,43.831 44.72,43.831 45.593,42.959 45.593,41.783 48.618,38.758 59.185,38.758 59.314,38.758 59.384,38.828 59.384,39.495 59.585,39.697 60.283,39.697 60.484,39.495 60.484,38.813 60.547,38.751 61.049,38.751 61.112,38.813 61.112,39.495 61.313,39.697 62.011,39.697 62.212,39.495 62.212,38.813 62.275,38.751 62.777,38.751 62.84,38.813 62.84,39.495 63.041,39.697 63.739,39.697 63.94,39.495 63.94,38.813 64.003,38.751 64.505,38.751 64.568,38.813 64.568,39.495 64.769,39.697 65.467,39.697 65.668,39.495 65.668,38.813 65.731,38.751 66.233,38.751 66.296,38.813 66.296,39.495 66.497,39.697 67.195,39.697 67.396,39.495 67.396,38.828 67.466,38.758 67.525,38.758 67.582,38.758 67.654,38.83 68.591,39.768 68.818,39.768 68.9,39.85 U3.62@69.18,39.85
ETH_1B_N: J2.P7 U3.2 | length 39.8
  L1 w0.12: J2.P7@43.18,37.465 39.878,37.465 39.243,38.1 39.243,39.388 39.751,39.896 41.42,39.896 42.672,41.148 43.862,41.148 47.799,37.211 70.096,37.211 70.422,37.537 70.422,37.764 70.504,37.846 U3.2@70.504,38.125
ETH_1B_P: J2.P4 U3.1 | length 39.8
  L1 w0.12: J2.P4@40.64,41.275 41.656,41.275 41.783,41.402 41.783,42.037 41.402,42.418 39.878,42.418 39.243,41.783 39.243,40.64 39.751,40.132 41.322,40.132 42.574,41.384 43.96,41.384 47.897,37.447 69.998,37.447 70.186,37.635 70.186,37.764 70.104,37.846 U3.1@70.104,38.125
ETH_1C_N: J2.P6 U3.4 | length 40
  L1 w0.12: J2.P6@40.64,38.735 40.693,38.788 42.062,38.788 42.242,38.608 44.624,38.608 47.273,35.959 58.31,35.959 59.303,35.959 59.373,35.889 59.373,35.376 59.574,35.175 60.272,35.175 60.473,35.376 60.473,35.904 60.536,35.967 61.039,35.967 61.101,35.904 61.101,35.376 61.302,35.175 62,35.175 62.201,35.376 62.201,35.904 62.264,35.967 62.767,35.967 62.829,35.904 62.829,35.376 63.03,35.175 63.728,35.175 63.929,35.376 63.929,35.904 63.992,35.967 64.495,35.967 64.557,35.904 64.557,35.376 64.758,35.175 65.456,35.175 65.657,35.376 65.657,35.904 65.72,35.967 66.223,35.967 66.285,35.904 66.285,35.376 66.486,35.175 67.184,35.175 67.385,35.376 67.385,35.889 67.456,35.959 68.542,35.959 70.583,35.959 71.222,36.598 71.222,37.764 71.304,37.846 U3.4@71.304,38.125